# Altium PCB ESC_1.PcbDoc (part 1 of 2)
Units mm, origin at the board's own origin, x right, y up, seen from the top; angles counter-clockwise.
Board outline 99.95 x 98.81 mm, 2 copper layers (Top Layer, Bottom Layer); 164 components, 107 nets, 468 pads, 244 vias.
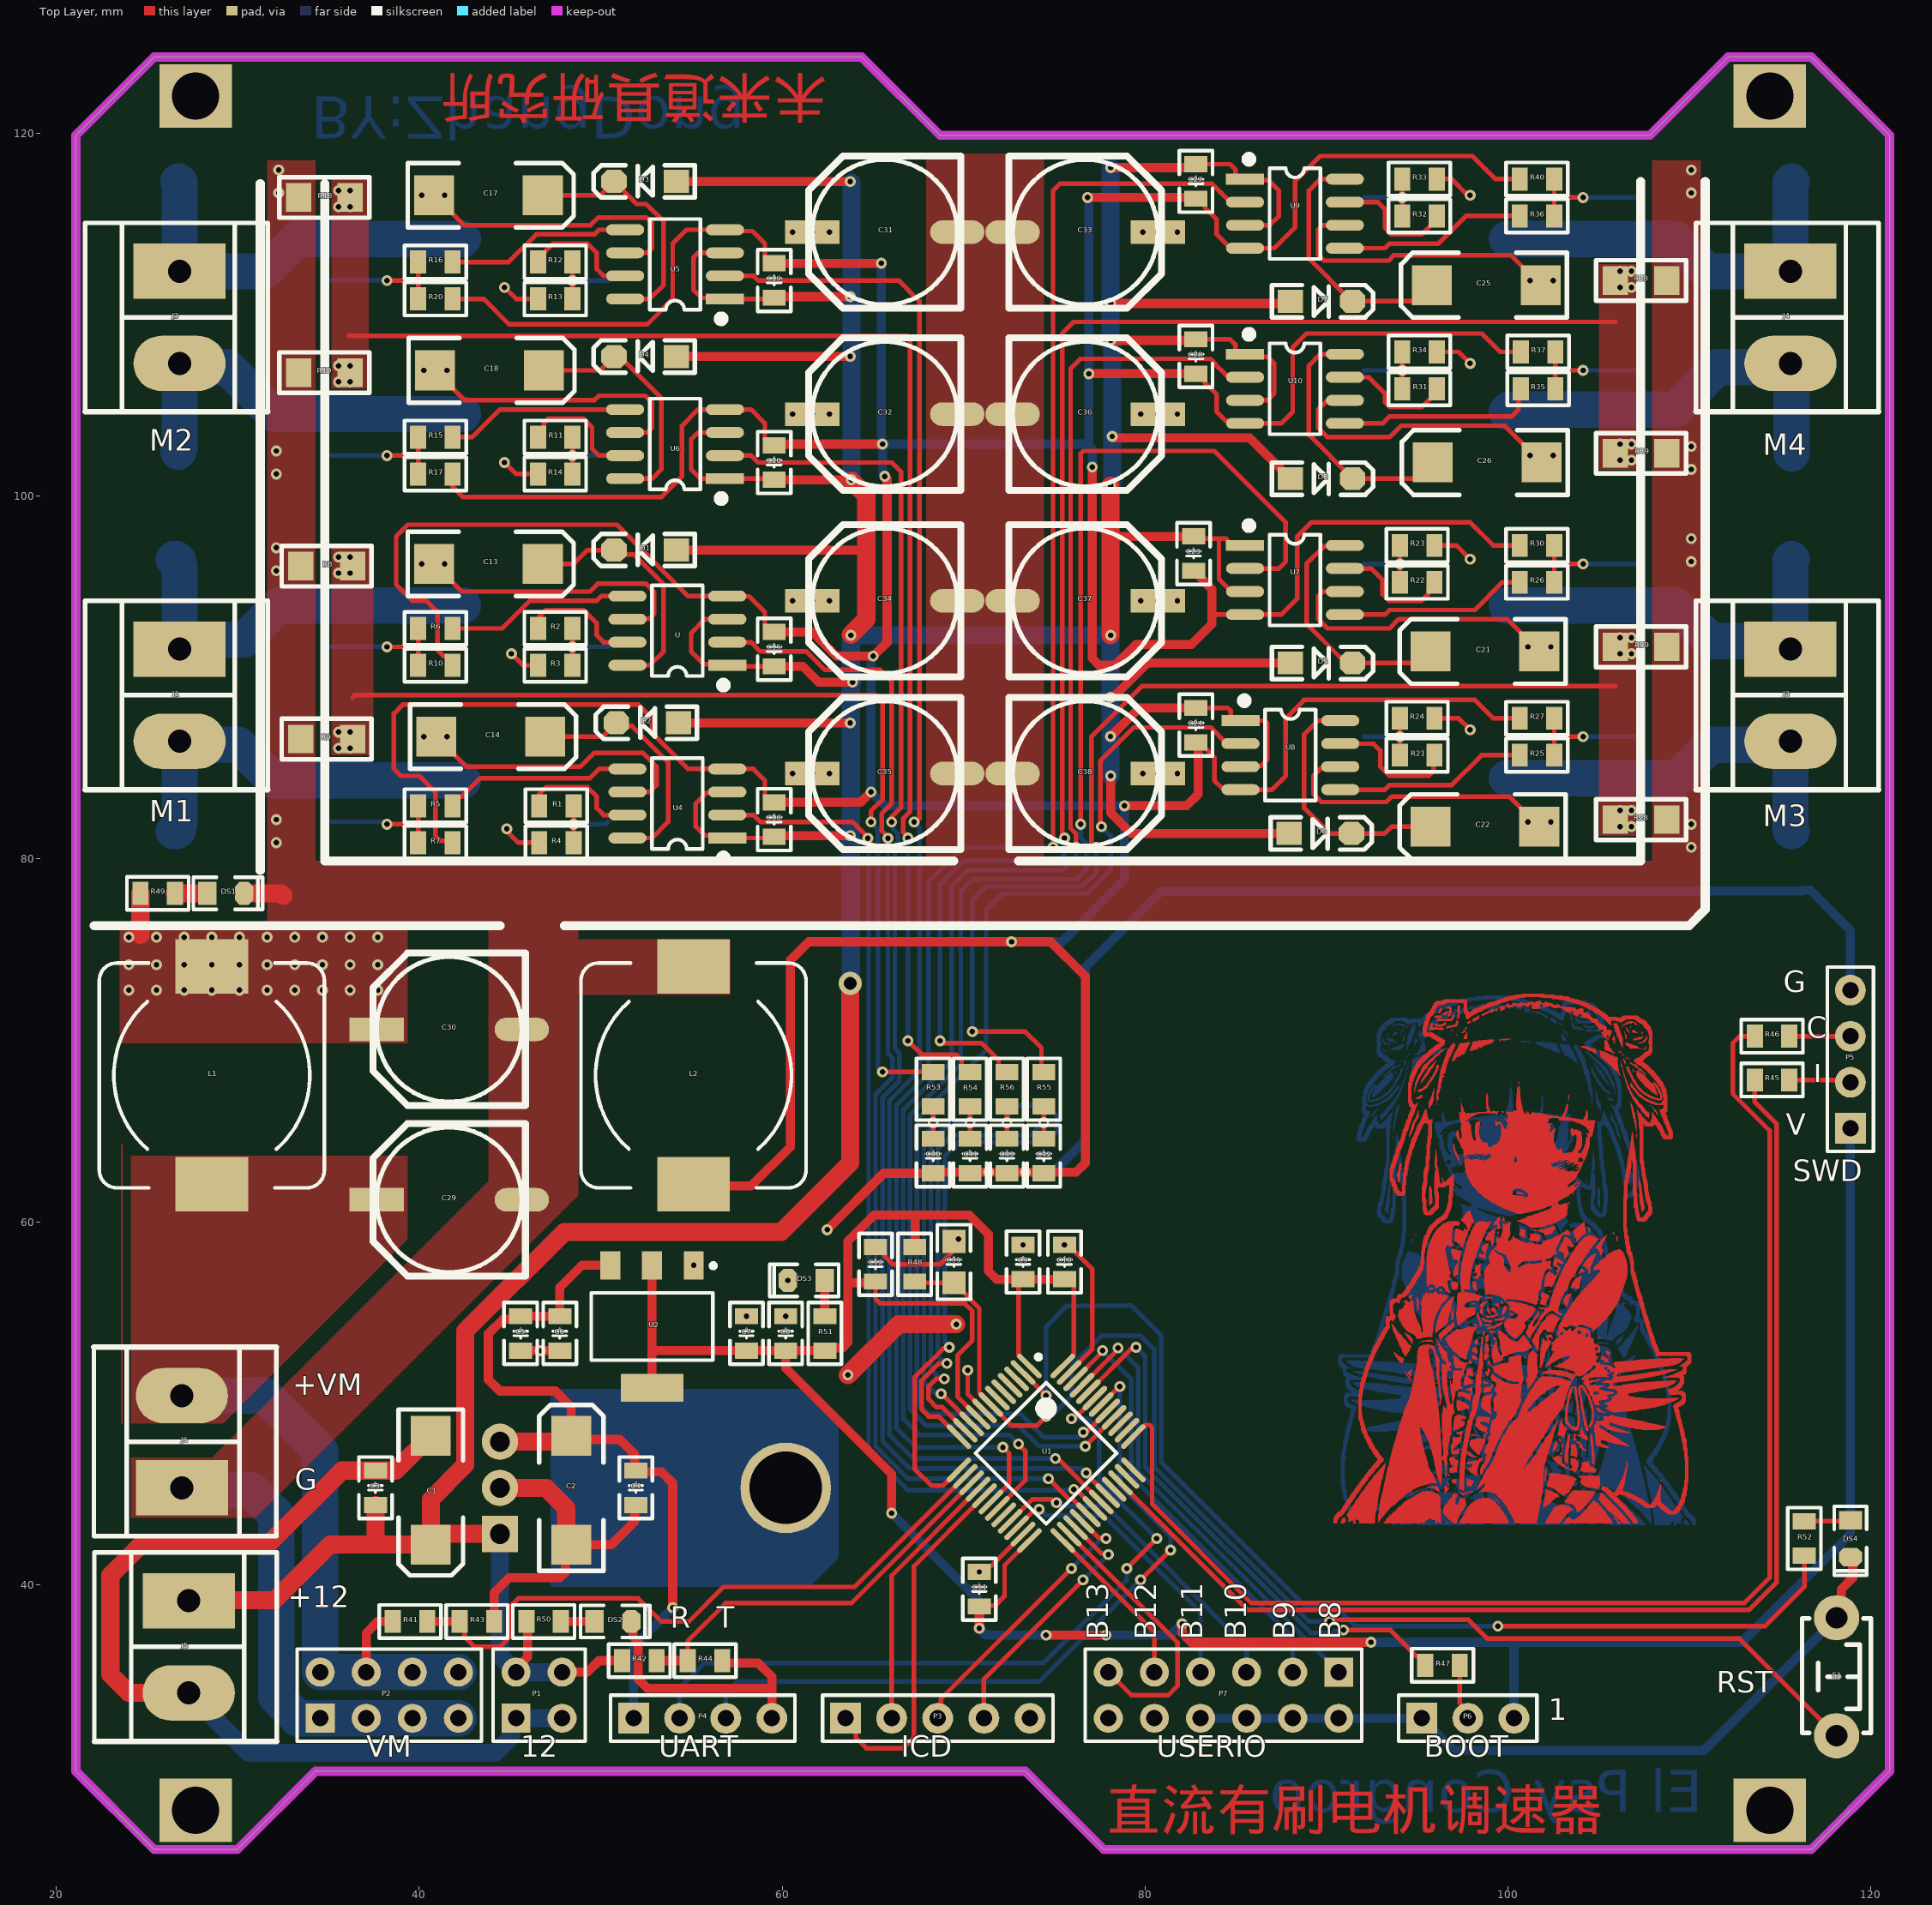
[diagram p0: Top Layer view]
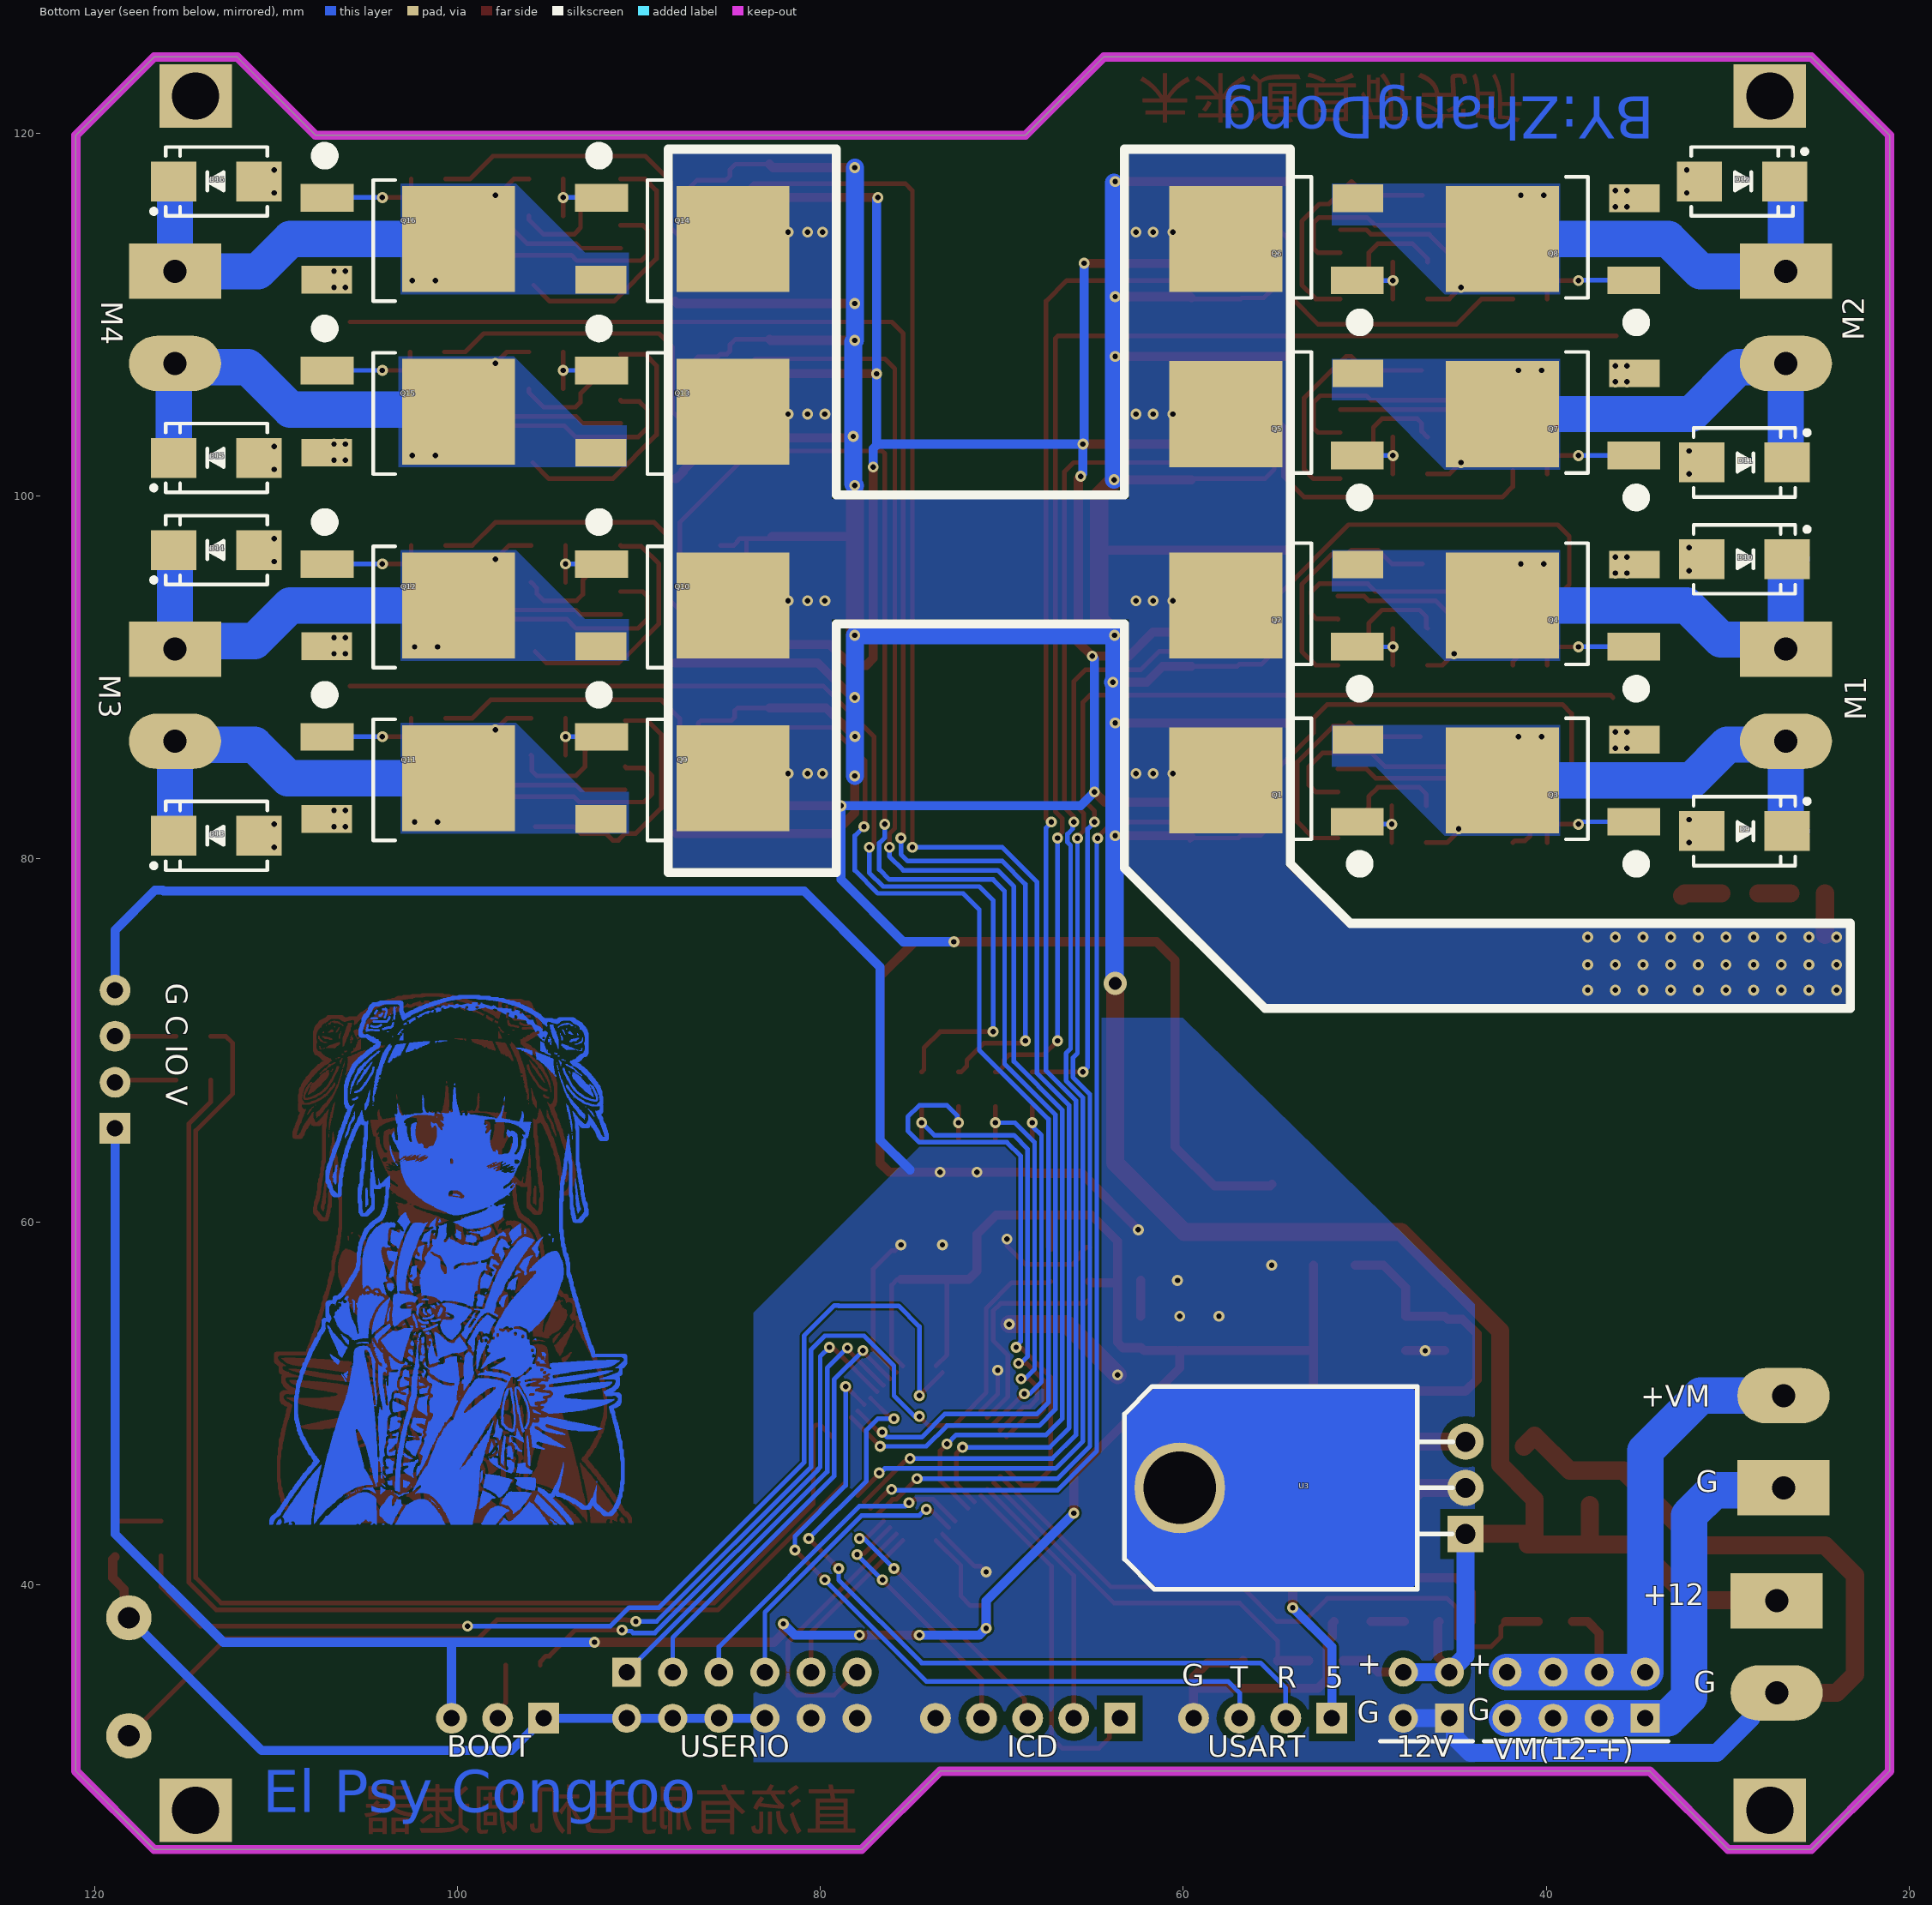
[diagram p1: Bottom Layer view, seen from below]

## Layer stack, top to bottom
Top Solder: solder mask 0.0102, Solder Resist, Dk 3.5
Top Layer: signal copper 0.0356
Dielectric 1: dielectric 0.32, FR-4, Dk 4.8
Bottom Layer: signal copper 0.0356
Bottom Solder: solder mask 0.0102, Solder Resist, Dk 3.5

## Board outline
25.4,25.4 21.082,29.718 21.082,119.888 25.4,124.206 64.389,124.206 68.707,119.888 107.823,119.888 112.141,124.206 116.713,124.206 121.031,119.888 121.031,29.718 116.713,25.4 77.724,25.4 73.406,29.718 34.29,29.718 29.972,25.4

## Design rules (kind name [scope] priority, off if disabled: settings)
Clearance [All] p1: gap=0.127 ignorepadtopadclearanceinfootprint=FALSE except(0: Arc-Hole Track-Hole SMDPad-Hole THPad-Hole Via-Hole Fill-Hole Poly-Hole Region-Hole Text-Hole; 0.4: THPad-Fill THPad-Poly THPad-Region)
PolygonConnect [All] p1: connectstyle=Direct reliefconductorwidth=0.254 reliefentries=4 polygonreliefangle="90 Angle" airgapwidth=0.254
RoutingVias [All] p1: holewidth=0.3 width=0.6 viastyle="Through Hole" minholewidth=0.3 minwidth=0.6 maxholewidth=0.711 maxwidth=1.27
SolderMaskExpansion [All] p1: expansion=0.102 istentingtop=FALSE
Width [All] p1: maxlimit=10 minlimit=0.254 preferedwidth=0.254
30 further rules are at their usual default settings.

## Components (designator, comment, footprint, x,y, rotation, side; value= is the part's Value field where it differs from the comment)
C1 "CAP-ELEC" "CD C(6032)" 40.64,45.212 r90 top value=22uF
C2 "CAP-ELEC" "CD C(6032)" 48.387,45.212 r270 top value=22uF
C3 "CAP" "C 0805_L" 37.592,45.339 r90 top value=100nF
C4 "CAP" "C 0805_L" 51.943,45.339 r270 top value=100nF
C5 "CAP" "C 0805_L" 45.593,53.848 r270 top value=1uF
C6 "CAP" "C 0805_L" 47.752,53.848 r270 top value=100nF
C7 "CAP" "C 0805_L" 58.039,53.848 r90 top value=1uF
C8 "CAP" "C 0805_L" 60.198,53.848 r90 top value=100nF
C9 "CAP" "C 0805_L" 73.279,57.785 r90 top value=100nF
C10 "CAP" "C 0805_L" 75.565,57.785 r90 top value=100nF
C11 "CAP" "C 0805_L" 70.866,39.751 r90 top value=100nF
C12 "CAP" "C 0805_L" 65.151,57.658 r90 top value=100nF
C13 "CAP-ELEC" "CD C(6032)" 43.815,96.266 r180 top value=22uF
C14 "CAP-ELEC" "CD C(6032)" 43.942,86.741 r180 top value=22uF
C15 "CAP" "C 0805_L" 59.563,91.567 r90 top value=100nF
C16 "CAP" "C 0805_L" 59.563,82.169 r90 top value=100nF
C17 "CAP-ELEC" "CD C(6032)" 43.815,116.586 r180 top value=22uF
C18 "CAP-ELEC" "CD C(6032)" 43.863,106.934 r180 top value=22uF
C19 "CAP" "C 0805_L" 59.563,111.887 r90 top value=100nF
C20 "CAP" "C 0805_L" 59.563,101.854 r90 top value=100nF
C21 "CAP-ELEC" "CD C(6032)" 98.727,91.44 r0 top value=22uF
C22 "CAP-ELEC" "CD C(6032)" 98.727,81.788 r0 top value=22uF
C23 "CAP" "C 0805_L" 82.677,96.835 r270 top value=100nF
C24 "CAP" "C 0805_L" 82.804,87.376 r270 top value=100nF
C25 "CAP-ELEC" "CD C(6032)" 98.806,111.633 r0 top value=22uF
C26 "CAP-ELEC" "CD C(6032)" 98.854,101.854 r0 top value=22uF
C27 "CAP" "C 0805_L" 82.804,117.348 r270 top value=100nF
C28 "CAP" "C 0805_L" 82.804,107.696 r270 top value=100nF
C29 "CAP-ELEC" "CM E(8*10.2)" 41.656,61.214 r180 top value=470uF
C30 "CAP-ELEC" "CM E(8*10.2)" 41.656,70.612 r180 top value=470uF
C31 "CAP-ELEC" "CM E(8*10.2)" 65.659,114.554 r180 top value=470uF
C32 "CAP-ELEC" "CM E(8*10.2)" 65.659,104.521 r180 top value=470uF
C33 "CAP-ELEC" "CM E(8*10.2)" 76.708,114.554 r0 top value=470uF
C34 "CAP-ELEC" "CM E(8*10.2)" 65.659,94.234 r180 top value=470uF
C35 "CAP-ELEC" "CM E(8*10.2)" 65.659,84.709 r180 top value=470uF
C36 "CAP-ELEC" "CM E(8*10.2)" 76.708,104.521 r0 top value=470uF
C37 "CAP-ELEC" "CM E(8*10.2)" 76.708,94.234 r0 top value=470uF
C38 "CAP-ELEC" "CM E(8*10.2)" 76.708,84.709 r0 top value=470uF
C39 "0805" "C 0805_M" 69.469,57.785 r270 top value=100nF
C40 "CAP" "C 0805_L" 68.326,63.627 r270 top value=100nF
C41 "CAP" "C 0805_L" 70.358,63.627 r270 top value=100nF
C42 "CAP" "C 0805_L" 74.422,63.627 r270 top value=100nF
C43 "CAP" "C 0805_L" 72.39,63.627 r270 top value=100nF
D1 "D" SOD-123 52.451,97.028 r180 top
D2 "D" SOD-123 52.578,87.503 r180 top
D3 "D" SOD-123 52.451,117.348 r180 top
D4 "D" SOD-123 52.451,107.696 r180 top
D5 "D" SOD-123 89.725,90.805 r0 top
D6 "D" SOD-123 89.662,81.407 r0 top
D7 "D" SOD-123 89.725,110.744 r0 top
D8 "D" SOD-123 89.725,100.965 r0 top
D9 "SMBJ30CA" SMB 29.083,81.534 r180 bottom
D10 "SMBJ30CA" SMB 29.083,96.52 r180 bottom
D11 "SMBJ30CA" SMB 29.083,101.854 r180 bottom
D12 "SMBJ30CA" SMB 29.21,117.348 r180 bottom
D13 "SMBJ30CA" SMB 113.284,81.28 r0 bottom
D14 "SMBJ30CA" SMB 113.284,97.028 r0 bottom
D15 "SMBJ30CA" SMB 113.284,102.108 r0 bottom
D16 "SMBJ30CA" SMB 113.284,117.348 r0 bottom
DS1 "LED" "LED 0805B" 29.337,78.105 r0 top
DS2 "LED" "LED 0805B" 50.673,37.973 r0 top
DS3 "LED" "LED 0805B" 61.341,56.769 r180 top
DS4 "LED" "LED 0805B" 118.872,42.545 r270 top
J1 "M1" DG1282-5.0 26.797,89.027 r270 top
J2 "M2" DG1282-5.0 26.797,109.855 r270 top
J3 "M3" DG1282-5.0 115.57,89.027 r270 top
J4 "M4" DG1282-5.0 115.57,109.855 r270 top
J5 "M1" DG1282-5.0 27.305,36.576 r270 top
J6 "M1" DG1282-5.0 26.924,47.879 r90 top
L1 "Inductor" L-SMD-12 28.575,68.072 r90 top value=47uH
L2 "Inductor" L-SMD-12 55.118,68.072 r270 top value=47uH
P1 "Header 2X2" HDR2.54-LI-2x2P 46.609,33.909 r0 top
P2 "Header 4X2" HDR2.54-LI-2x4P 38.354,33.909 r0 top
P3 "ICD" HDR2.54-LI-5P 68.58,32.639 r0 top
P4 "USART" HDR2.54-LI-4P 55.626,32.639 r0 top
P5 "Header 4" HDR2.54-LI-4P 118.872,68.961 r90 top
P6 "Header 3" HDR2.54-LI-3P 97.79,32.639 r0 top
P7 "Header 6X2" HDR2.54-LI-2x6P 84.328,33.909 r180 top
Q1 "MOSFET N" TO252 53.458,84.328 r90 bottom
Q2 "MOSFET N" TO252 53.458,93.98 r90 bottom
Q3 "MOSFET N" TO252 38.218,84.328 r90 bottom
Q4 "MOSFET N" TO252 38.218,93.98 r90 bottom
Q5 "MOSFET N" TO252 53.458,104.521 r90 bottom
Q6 "MOSFET N" TO252 53.458,114.173 r90 bottom
Q7 "MOSFET N" TO252 38.218,104.521 r90 bottom
Q8 "MOSFET N" TO252 38.218,114.173 r90 bottom
Q9 "MOSFET N" TO252 89.027,84.455 r270 bottom
Q10 "MOSFET N" TO252 89.027,93.98 r270 bottom
Q11 "MOSFET N" TO252 104.14,84.455 r270 bottom
Q12 "MOSFET N" TO252 104.14,93.98 r270 bottom
Q13 "MOSFET N" TO252 89.027,104.648 r270 bottom
Q14 "MOSFET N" TO252 89.027,114.173 r270 bottom
Q15 "MOSFET N" TO252 104.14,104.648 r270 bottom
Q16 "MOSFET N" TO252 104.14,114.173 r270 bottom
R1 "0805" "R 0805_L" 47.564,82.931 r0 top value=200
R2 "0805" "R 0805_L" 47.498,92.71 r0 top value=200
R3 "0805" "R 0805_L" 47.498,90.678 r180 top value=10K
R4 "0805" "R 0805_L" 47.564,80.899 r180 top value=10K
R5 "0805" "R 0805_L" 40.894,82.931 r180 top value=200
R6 "0805" "R 0805_L" 40.894,92.71 r180 top value=200
R7 "0805" "R 0805_L" 40.894,80.899 r180 top value=10K
R8 "0805" "R 1206_L" 34.925,96.139 r180 top value=0.01R
R9 "0805" "R 1206_L" 34.875,86.614 r0 top value=0.01R
R10 "0805" "R 0805_L" 40.894,90.678 r180 top value=10K
R11 "0805" "R 0805_L" 47.498,103.251 r0 top value=200
R12 "0805" "R 0805_L" 47.498,112.903 r0 top value=200
R13 "0805" "R 0805_L" 47.498,110.871 r180 top value=10K
R14 "0805" "R 0805_L" 47.498,101.219 r180 top value=10K
R15 "0805" "R 0805_L" 40.894,103.251 r180 top value=200
R16 "0805" "R 0805_L" 40.894,112.903 r180 top value=200
R17 "0805" "R 0805_L" 40.894,101.219 r180 top value=10K
R18 "0805" "R 1206_L" 34.798,116.459 r180 top value=0.01R
R19 "0805" "R 1206_L" 34.748,106.807 r0 top value=0.01R
R20 "0805" "R 0805_L" 40.894,110.871 r180 top value=10K
R21 "0805" "R 0805_L" 94.996,85.725 r180 top value=200
R22 "0805" "R 0805_L" 94.996,95.25 r180 top value=200
R23 "0805" "R 0805_L" 94.996,97.282 r0 top value=10K
R24 "0805" "R 0805_L" 94.996,87.757 r0 top value=10K
R25 "0805" "R 0805_L" 101.6,85.725 r0 top value=200
R26 "0805" "R 0805_L" 101.6,95.25 r0 top value=200
R27 "0805" "R 0805_L" 101.6,87.757 r0 top value=10K
R28 "0805" "R 1206_L" 107.315,82.169 r0 top value=0.01R
R29 "0805" "R 1206_L" 107.365,91.694 r180 top value=0.01R
R30 "0805" "R 0805_L" 101.6,97.282 r0 top value=10K
R31 "0805" "R 0805_L" 95.123,105.918 r180 top value=200
R32 "0805" "R 0805_L" 95.123,115.443 r180 top value=200
R33 "0805" "R 0805_L" 95.123,117.475 r0 top value=10K
R34 "0805" "R 0805_L" 95.123,107.95 r0 top value=10K
R35 "0805" "R 0805_L" 101.666,105.918 r0 top value=200
R36 "0805" "R 0805_L" 101.6,115.443 r0 top value=200
R37 "0805" "R 0805_L" 101.666,107.95 r0 top value=10K
R38 "0805" "R 1206_L" 107.315,111.887 r0 top value=0.01R
R39 "0805" "R 1206_L" 107.365,102.362 r180 top value=0.01R
R40 "0805" "R 0805_L" 101.6,117.475 r0 top value=10K
R41 "0805" "R 0805_L" 39.497,37.973 r0 top value=2K
R42 "0805" "R 0805_L" 52.136,35.814 r0 top value=2K
R43 "0805" "R 0805_L" 43.18,37.973 r0 top value=200
R44 "0805" "R 0805_L" 55.753,35.814 r0 top value=200
R45 "0805" "R 0805_L" 114.554,67.818 r0 top value=100
R46 "0805" "R 0805_L" 114.554,70.231 r0 top value=100
R47 "0805" "R 0805_L" 96.393,35.56 r180 top value=40K
R48 "0805" "R 0805_L" 67.31,57.658 r270 top value=40K
R49 "RES2" "R 0805_L" 25.593,78.105 r180 top value=1K
R50 "RES2" "R 0805_L" 46.863,37.973 r180 top value=1K
R51 "RES2" "R 0805_L" 62.357,53.848 r270 top value=1K
R52 "RES2" "R 0805_L" 116.332,42.545 r270 top value=1K
R53 "0805" "R 0805_L" 68.326,67.31 r90 top value=200
R54 "0805" "R 0805_L" 70.358,67.31 r90 top value=200
R55 "0805" "R 0805_L" 74.422,67.31 r90 top value=200
R56 "0805" "R 0805_L" 72.39,67.31 r90 top value=200
S1 "SW" "TSW DIP-3*6*4.3" 118.11,34.925 r270 top
U "IR2104" SOP8_M 54.229,92.583 r180 top
U1 "STM32F030C8T6" STM-LQFP48_N 74.549,47.244 r315 top
U2 "ASM1117" SOT-223 52.832,54.229 r180 top
U3 "7805" TO220B 44.45,45.339 r90 bottom
U4 "IR2104" SOP8_M 54.229,83.058 r180 top
U5 "IR2104" SOP8_M 54.102,112.776 r180 top
U6 "IR2104" SOP8_M 54.102,102.87 r180 top
U7 "IR2104" SOP8_M 88.265,95.377 r0 top
U8 "IR2104" SOP8_M 88.011,85.725 r0 top
U9 "IR2104" SOP8_M 88.265,115.57 r0 top
U10 "IR2104" SOP8_M 88.265,105.918 r0 top
? "Comment" "五更琉璃白猫 SL" 90.386,43.411 r0 top
? "Comment" "五更琉璃白猫 SL" 110.363,43.307 r180 bottom
